# Altium PCB MINIOLED.PcbDoc
Units mil, origin at the board's own origin, x right, y up, seen from the top; angles counter-clockwise.
Board outline 1358.27 x 1027.03 mil, 2 copper layers (Top Layer, Bottom Layer); 50 components, 56 nets, 226 pads, 57 vias.
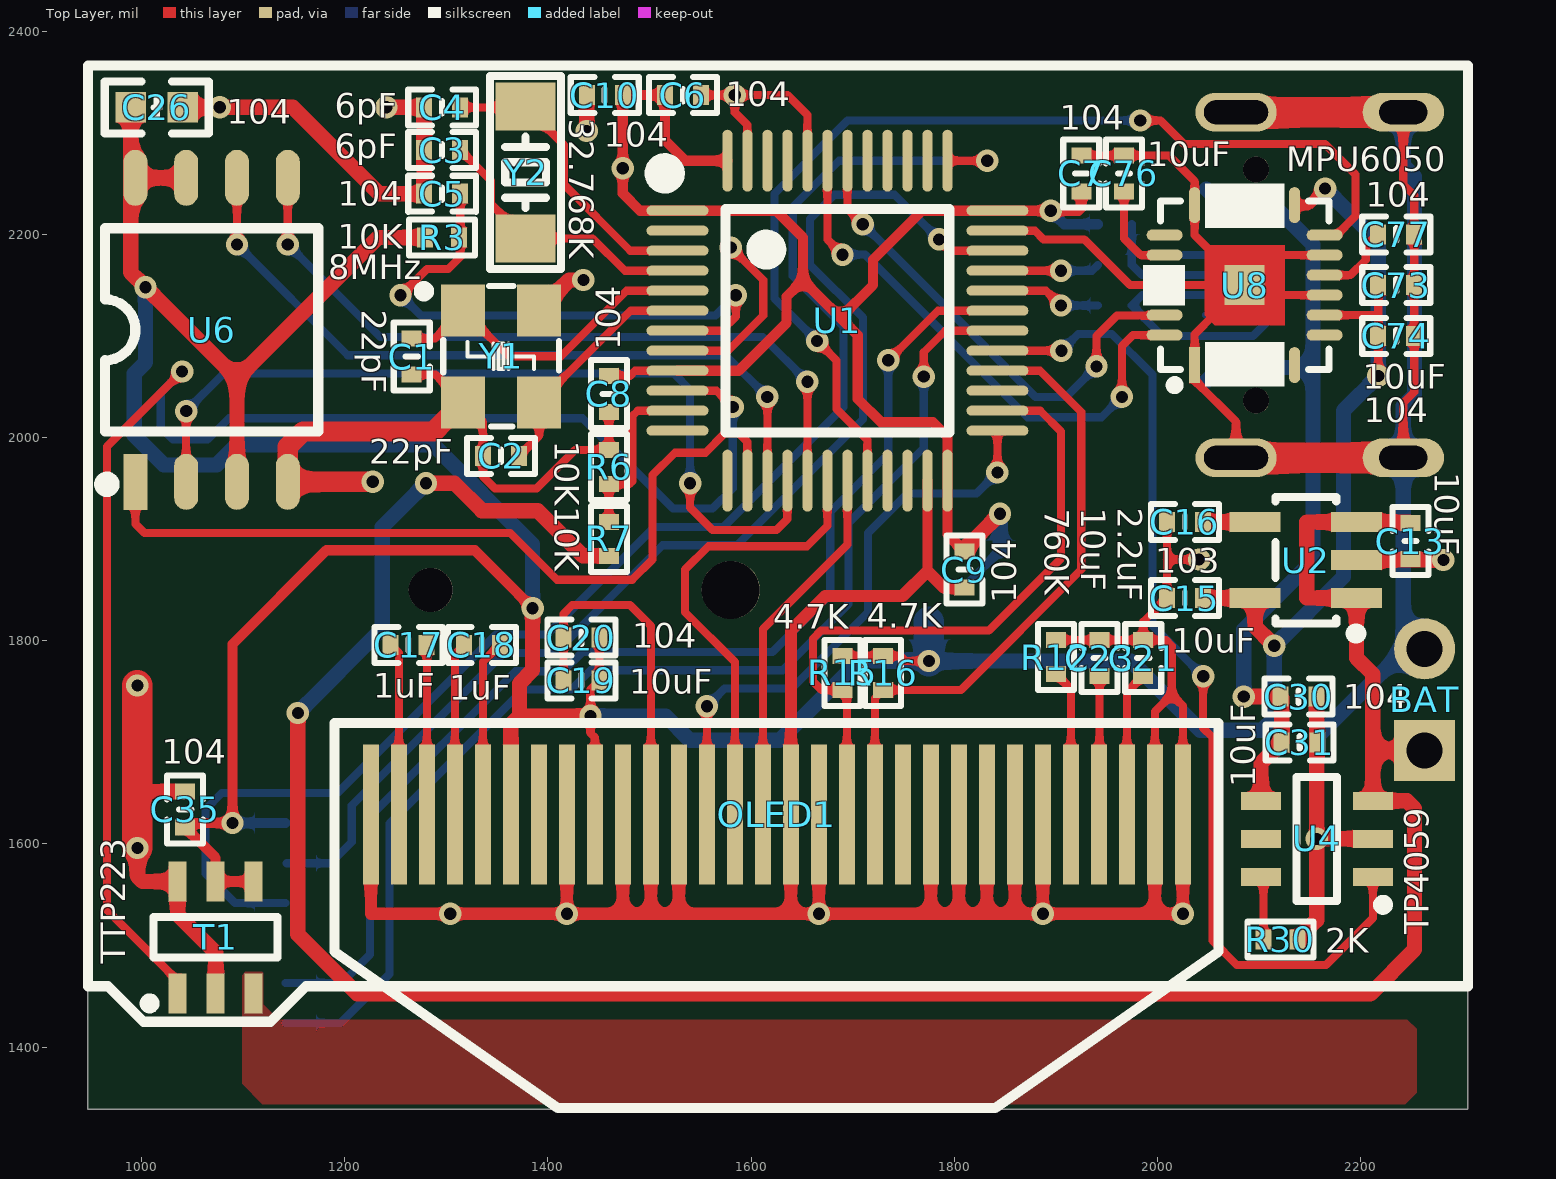
[diagram p0: Top Layer view]
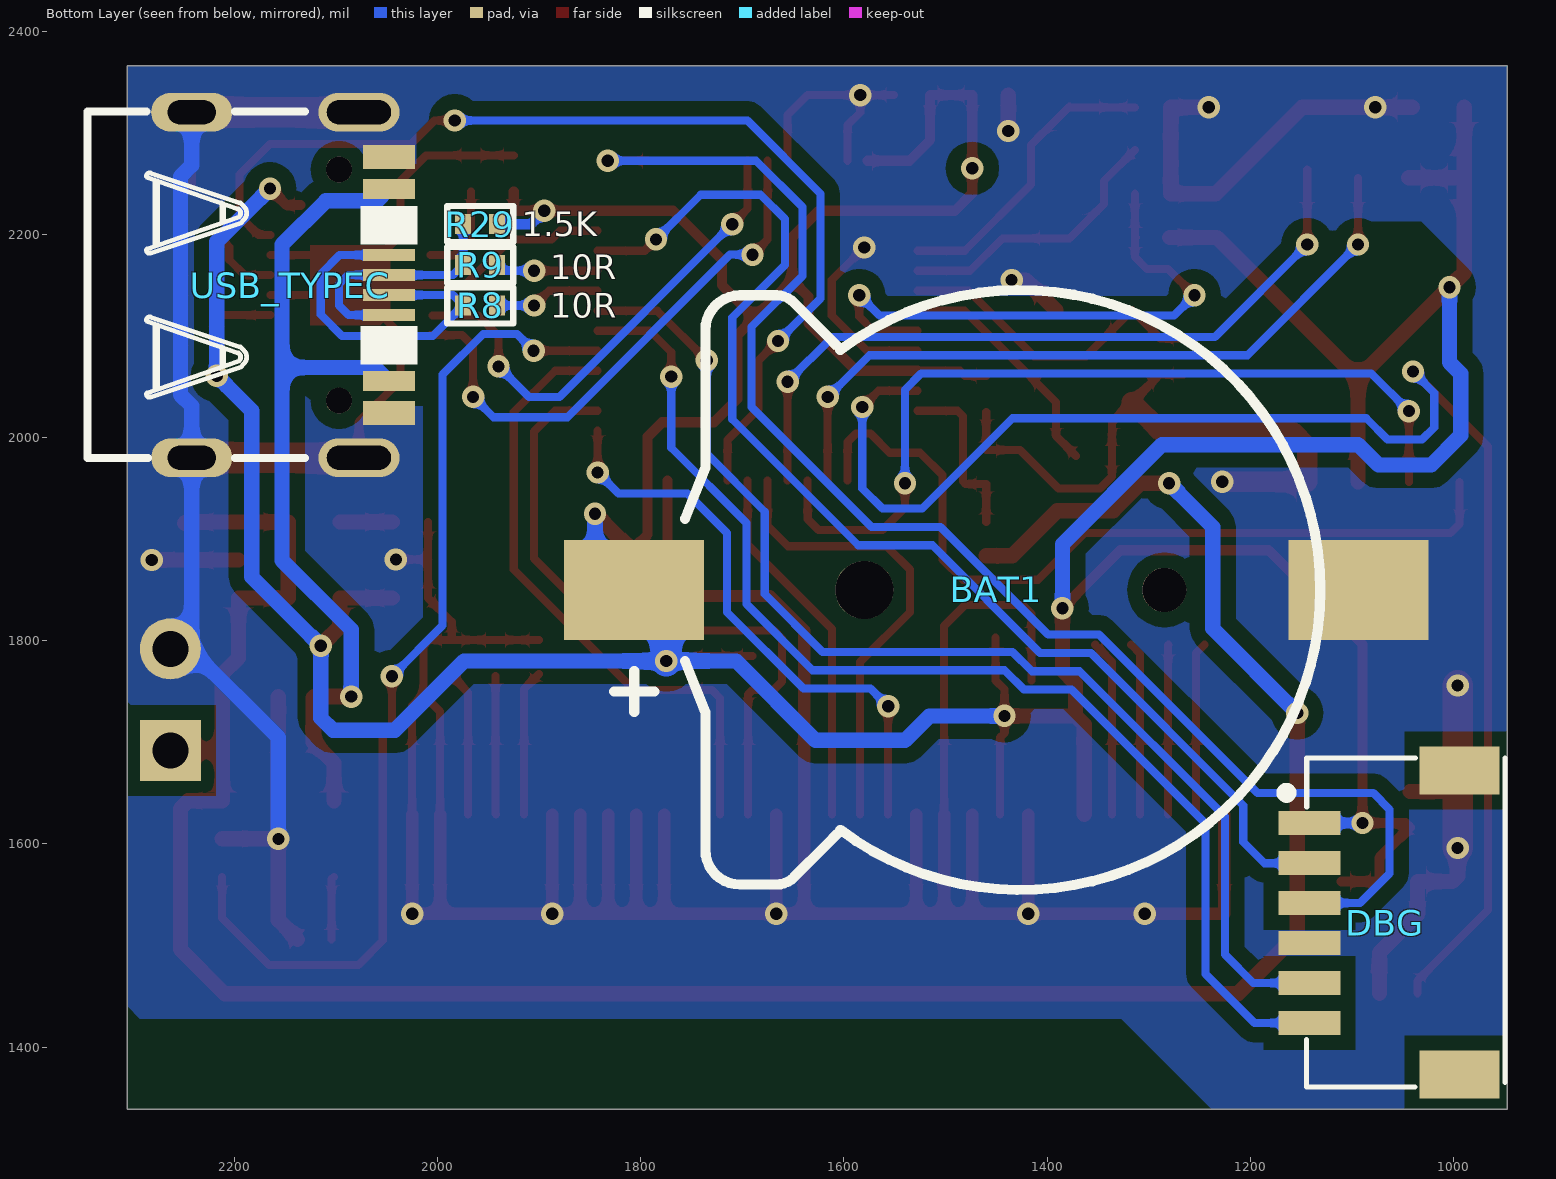
[diagram p1: Bottom Layer view, seen from below]
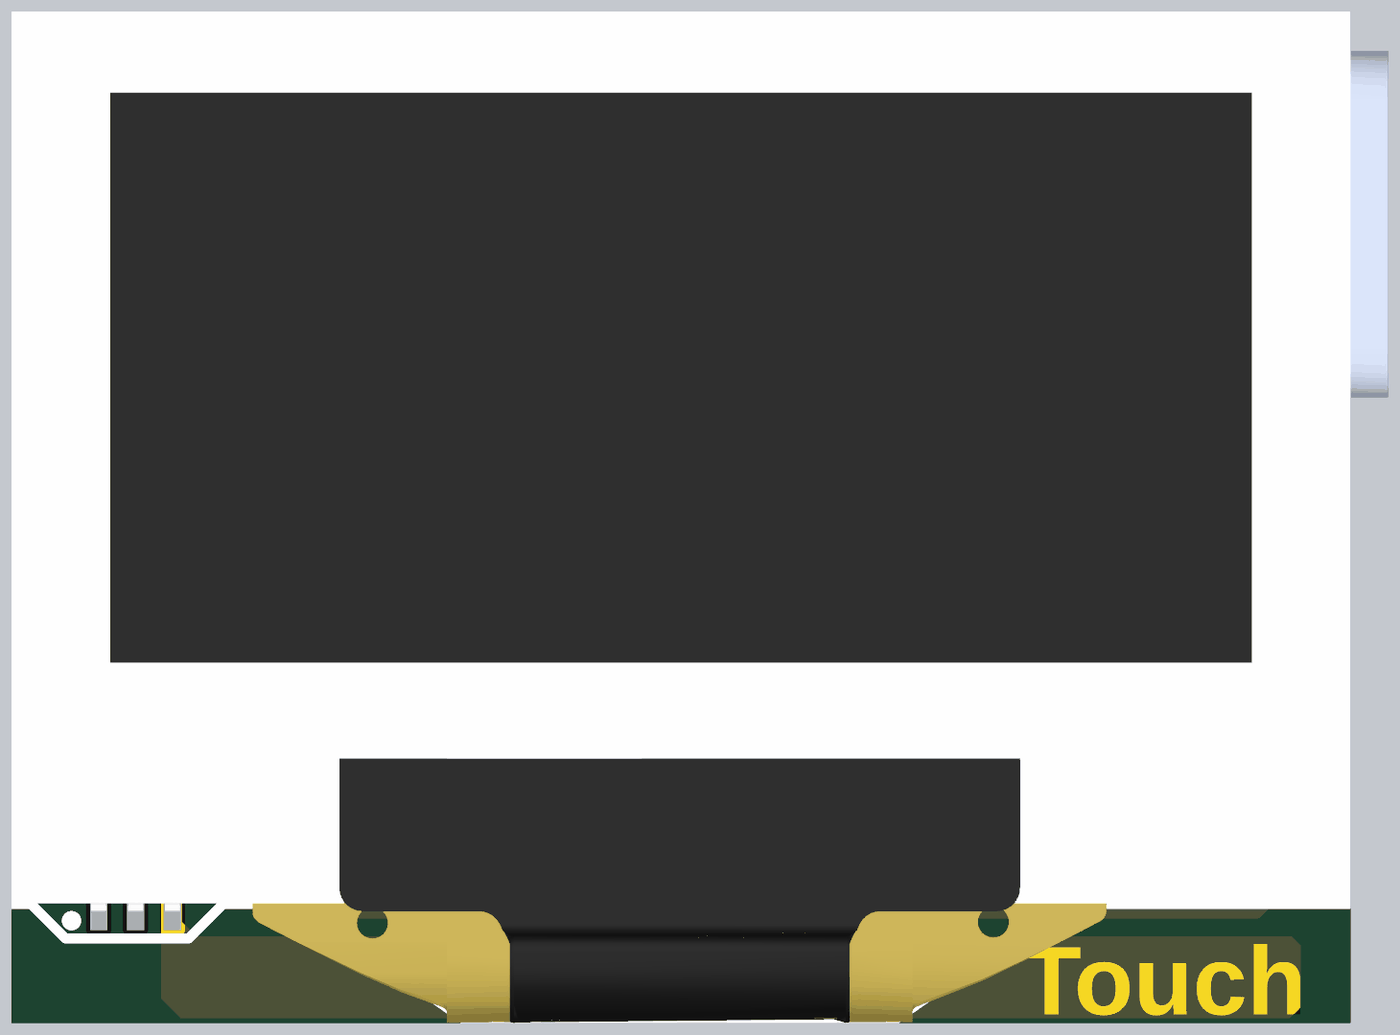
[diagram p2: 3D render of the assembled board from above, using the file's embedded part models]
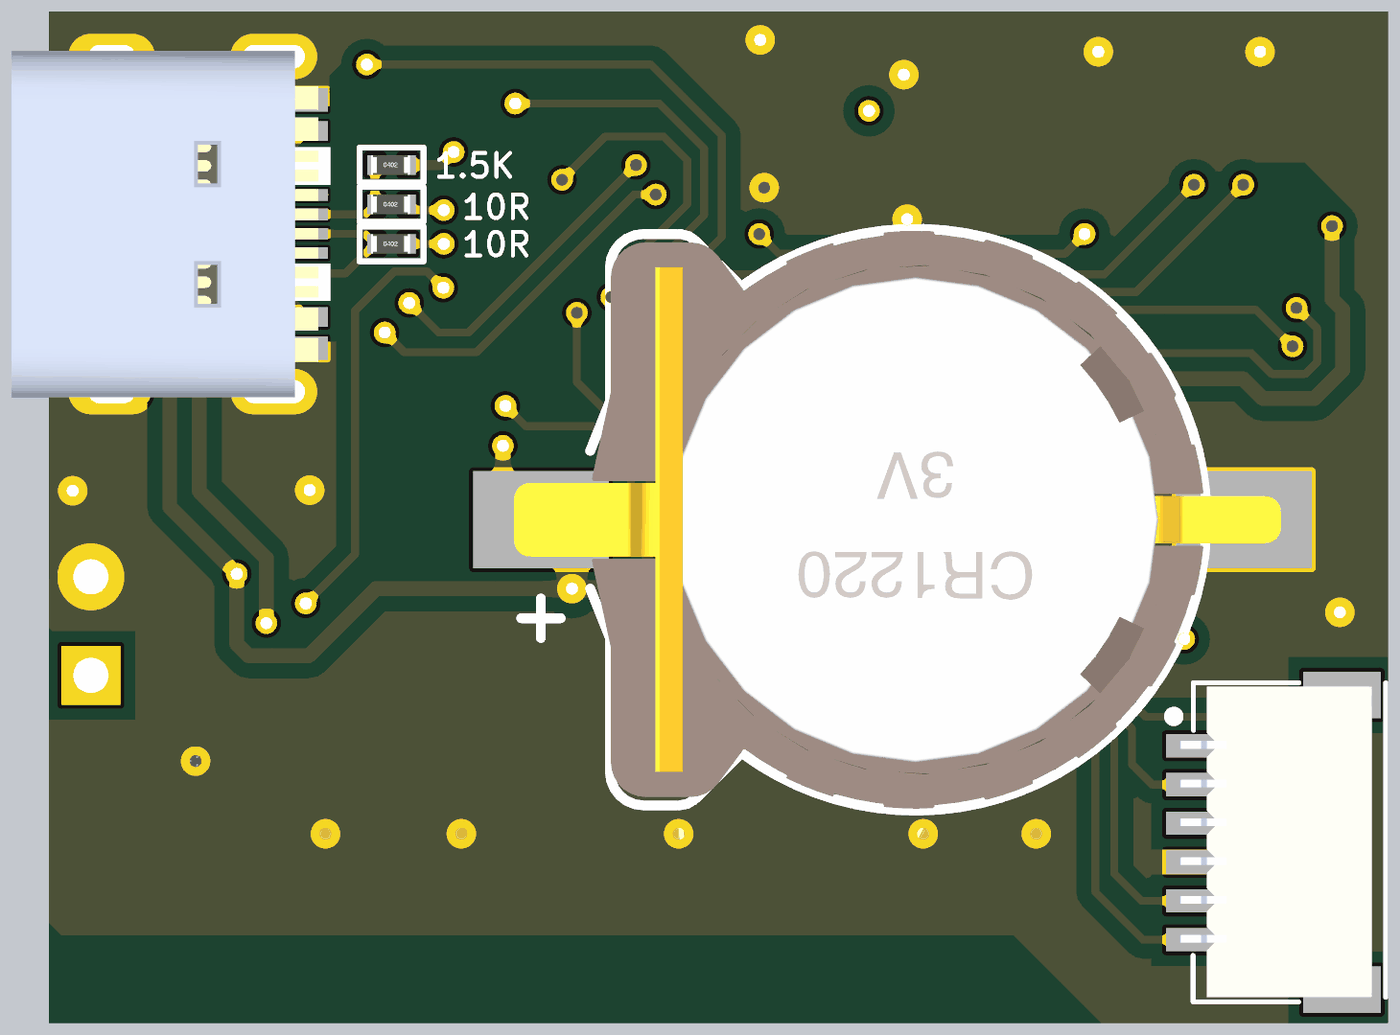
[diagram p3: 3D render of the assembled board from below, using the file's embedded part models]

## Layer stack, top to bottom
Top Solder: solder mask 0.4, Solder Resist, Dk 3.5
Top Layer: signal copper 1.4
Dielectric1: dielectric 12.6, FR-4, Dk 4.8
Bottom Layer: signal copper 1.4
Bottom Solder: solder mask 0.4, Solder Resist, Dk 3.5

## Board outline
947.23,1338.97 2305.5,1338.97 2305.5,2366 947.23,2366

## Design rules (kind name [scope] priority, off if disabled: settings)
Clearance [All] p1: gap=5 except(15: Arc-Poly Track-Poly SMDPad-Poly THPad-Poly Via-Poly Fill-Poly Poly-Poly)
FabricationTestPointUsage TestPointUsage [All] p1: valid=0 allowmultiple=FALSE
FabricationTestpoint Testpoint [All] p1: side=3 testpointundercomponent=TRUE minsize=40 maxsize=100 preferedsize=60 minholesize=0 maxholesize=40 preferedholesize=32 testpointgrid=1 allowsidetop=TRUE allowsidebottom=TRUE usegrid=TRUE gridtolerance=0.01
PlaneConnect [All] p1: planeconnectstyle=Direct reliefexpansion=20 reliefentries=4 reliefconductorwidth=10 reliefairgap=10
PolygonConnect [All] p1: connectstyle=Direct reliefconductorwidth=10 reliefentries=4 polygonreliefangle="90 Angle" airgapwidth=10
RoutingVias [All] p1: holewidth=12 width=22 viastyle="Through Hole" minholewidth=12 minwidth=22 maxholewidth=200 maxwidth=500
SilkToSolderMaskClearance SilkscreenOverComponentPads [IsPad] p1: minsilkscreentomaskgap=10 clearancetoexposedcopper=TRUE
SolderMaskExpansion [All] p1: expansion=4
Width [All] p1: maxlimit=200 minlimit=5 preferedwidth=8 minimp=50.000000 maximp=50.000000 favimp=50.000000
26 further rules are at their usual default settings.

## Components (designator, comment, footprint, x,y, rotation, side; value= is the part's Value field where it differs from the comment)
BAT "Battery" HDR1X2 2263,1692 r90 top
BAT1 "1220" CR1220_B 1426.46,1850 r0 bottom locked
C1 "22pF" "C 0402_L" 1266,2079.72 r90 top
C2 "22pF" "C 0402_L" 1354,1982 r0 top
C3 "6pF" "C 0402_L" 1296,2283 r0 top
C4 "6pF" "C 0402_L" 1296,2325 r0 top
C5 "104" "C 0402_L" 1296,2240 r0 top
C6 "104" "C 0402_L" 1533,2337 r180 top
C7 "104" "C 0402_L" 1925,2260 r270 top
C8 "104" "C 0402_L" 1460,2043 r90 top
C9 "104" "C 0402_L" 1810,1870 r90 top
C10 "104" "C 0402_L" 1456,2337 r0 top
C13 "10uF" "C 0402_L" 2249,1898 r270 top
C15 "10uF" "C 0402_L" 2027,1842 r0 top
C16 "103" "C 0402_L" 2027,1917 r0 top
C17 "1uF" "C 0402_L" 1263,1796 r180 top
C18 "1uF" "C 0402_L" 1335,1796 r180 top
C19 "10uF" "C 0402_L" 1433,1761 r0 top
C20 "104" "C 0402_L" 1433,1803 r0 top
C21 "2.2uF" "C 0402_L" 1986,1783 r270 top
C23 "10uF" "C 0402_L" 1943,1783 r270 top
C26 "104" "C 0603_L" 1015,2325 r0 top
C30 "104" "C 0402_L" 2139,1745 r180 top
C31 "10uF" "C 0402_L" 2140,1700 r180 top
C35 "104" "C 0402_L" 1043,1634 r90 top
C73 "10uF" "C 0402_L" 2235,2150 r0 top
C74 "104" "C 0402_L" 2235,2100 r180 top
C76 "10uF" "C 0402_L" 1967,2260 r270 top
C77 "104" "C 0402_L" 2235,2200 r0 top
DBG "GPS&COMPASS" "SH1.0 S-W-6P" 1060.93,1522.61 r90 bottom
OLED1 "OLED12864" OLED1.3 1625,1825 r0 top locked
R3 "10K" "R 0402_L" 1295,2197 r0 top
R6 "10K" "R 0402_L" 1460,1972 r270 top
R7 "10K" "R 0402_L" 1460,1901.25 r270 top
R8 "10R" "R 0402_L" 1959,2130 r180 bottom
R9 "10R" "R 0402_L" 1959,2170 r180 bottom
R12 "760K" "R 0402_L" 1900,1784.96 r270 top
R15 "4.7K" "R 0402_L" 1690,1769.25 r270 top
R16 "4.7K" "R 0402_L" 1730,1769.25 r270 top
R29 "1.5K" "R 0402_L" 1959,2210 r180 bottom
R30 "2K" "R 0402_L" 2122,1506 r180 top
T1 "TTP223" SOT23-6L 1073,1508 r0 top
U1 "STM32F103C8T6" "LQFP48 7X7_L" 1685,2115 r270 top locked
U2 "CAT6219-330TD" SOT-23-5 2196,1842 r180 top
U4 "TP4059" SOT23-6L 2157,1605 r90 top
U6 "W25Q128" SOP8W_L 1069,2106 r90 top
U8 "MPU6050" "QFN24 4x4_N" 2085.79,2150 r0 top
USB_TYPEC "USB TypeC" "USB Type-C" 2145,2150.08 r270 bottom locked
Y1 "8MHz" XTAL-3225 1354,2080 r270 top
Y2 "32.768K" "OSC 3215-2P" 1378,2261 r270 top

## Footprints (in the part's own frame and the unit in brackets; to place one, negate y for a bottom-side part, rotate by r counter-clockwise, add the part's x,y. Pads: shape width x height; smd on the part's side, far side on the other; paste and mask are expansions set on the pad)
"C 0402_L" [mm] "无极性贴片电容"
  rect 0.4x0.5 smd: 1(-0.45,0) 2(0.45,0)
  silkscreen extent -0.85,-0.45 0.85,0.45, body extent -0.5,-0.26 0.5,0.26, height 0.53
"C 0603_L" [mil] "无极性贴片电容"
  rect 30x30 smd: 1(-25.59,0) 2(25.59,0)
  silkscreen extent -51,-26 51,26, body extent -31,-16 31,16, height 32
CR1220_B [mm]
  round 1.1 hole 1.1: 0(-3.6,0)
  round 1.45 hole 1.45: 0(3.9,0)
  rect 3.5x2.5 smd: 1(9.652,0) 2(-8.458,0)
  silkscreen extent -7.5,-7.5 10.16,7.5, body extent -9.42,-7.45 10.34,7.45, height 4.05
HDR1X2 [mil]
  rect 60x60 hole 35.43: 1(0,0)
  round 60 hole 35.43: 2(100,0)
"LQFP48 7X7_L" [mm] "48脚，体宽7x7mm，脚距0.5mm"
  oval 0.25x1.55 smd: 1(-2.75,-4) 2(-2.25,-4) 3(-1.75,-4) 4(-1.25,-4) 5(-0.75,-4) 6(-0.25,-4) 7(0.25,-4) 8(0.75,-4) 9(1.25,-4) 10(1.75,-4) 11(2.25,-4) 12(2.75,-4) 25(2.75,4) 26(2.25,4) 27(1.75,4) 28(1.25,4) 29(0.75,4) 30(0.25,4) 31(-0.25,4) 32(-0.75,4) 33(-1.25,4) 34(-1.75,4) 35(-2.25,4) 36(-2.75,4)
  oval 1.55x0.25 smd: 13(4,-2.75) 14(4,-2.25) 15(4,-1.75) 16(4,-1.25) 17(4,-0.75) 18(4,-0.25) 19(4,0.25) 20(4,0.75) 21(4,1.25) 22(4,1.75) 23(4,2.25) 24(4,2.75) 37(-4,2.75) 38(-4,2.25) 39(-4,1.75) 40(-4,1.25) 41(-4,0.75) 42(-4,0.25) 43(-4,-0.25) 44(-4,-0.75) 45(-4,-1.25) 46(-4,-1.75) 47(-4,-2.25) 48(-4,-2.75)
  silkscreen extent -3.93,-4.57 2.79,2.79, body extent -4.5,-4.5 4.5,4.5, height 1.45
OLED1.3 [mm]
  rect 0.4x3.5 smd: 1(-10.14,-4.978) 2(-9.44,-4.978) 3(-8.74,-4.978) 4(-8.04,-4.978) 5(-7.34,-4.978) 6(-6.64,-4.978) 7(-5.94,-4.978) 8(-5.24,-4.978) 9(-4.54,-4.978) 10(-3.84,-4.978) 11(-3.14,-4.978) 12(-2.44,-4.978) 13(-1.74,-4.978) 14(-1.04,-4.978) 15(-0.34,-4.978) 16(0.36,-4.978) 17(1.06,-4.978) 18(1.76,-4.978) 19(2.46,-4.978) 20(3.16,-4.978) 21(3.86,-4.978) 22(4.56,-4.978) 23(5.26,-4.978) 24(5.96,-4.978) 25(6.66,-4.978) 26(7.36,-4.978) 27(8.06,-4.978) 28(8.76,-4.978) 29(9.46,-4.978) 30(10.16,-4.978)
  silkscreen extent -17.22,-12.32 17.28,13.74, body extent -17.22,-12.35 17.28,13.74, height 4.65
"OSC 3215-2P" [mm] "3.2*1.5*0.6mm(长宽高)"
  rect 1.2x1.5 smd: 1(-1.65,0) 2(1.65,0)
  silkscreen extent -2.41,-0.89 2.41,0.89, body extent -1.6,-0.75 1.6,0.75, height 0.61
"QFN24 4x4_N" [mm] "24脚，长x宽x高：4x4x1mm，脚距：0.5mm"
  rect 0.28x0.9 smd: 1(-1.25,-2)
  oval 0.28x0.9 smd: 6(1.25,-2) 13(1.25,2) 18(-1.25,2)
  oval 0.9x0.28 smd: 7(2,-1.25) 8(2,-0.75) 9(2,-0.25) 10(2,0.25) 11(2,0.75) 12(2,1.25) 19(-2,1.25) 20(-2,0.75) 23(-2,-0.75) 24(-2,-1.25)
  rect 1x1 smd: 25(0,0)
  Top Layer region: -1,1 1,1 1,-1 -0.75,-1 -1,-0.75
  silkscreen extent -2.11,-2.6 2.11,2.11, body extent -2.01,-2.01 2.01,2.01, height 0.95
"R 0402_L" [mm] "1/16W贴片电阻"
  rect 0.4x0.5 smd: 1(-0.4,0) 2(0.45,0)
  silkscreen extent -0.8,-0.45 0.85,0.45, body extent -0.5,-0.25 0.5,0.25, height 0.3
"SH1.0 S-W-6P" [mm]
  rect 1.2x2 smd: 0(-3.8,-1.7) 0(3.8,-1.7)
  rect 0.6x1.55 smd: 1(2.489,2.057) 2(1.489,2.057) 3(0.489,2.057) 4(-0.511,2.057) 5(-1.511,2.057) 6(-2.511,2.057)
  silkscreen extent -4.11,-2.83 4.11,2.76, body extent -3.99,-2.47 4.01,2.48, height 2.9
SOP8W_L [mm]
  rect 1.4x0.6 smd: 1(-3.8,1.905)
  oval 1.4x0.6 smd: 2(-3.8,0.635) 3(-3.8,-0.635) 4(-3.8,-1.905) 5(3.8,-1.905) 6(3.8,-0.635) 7(3.8,0.635) 8(3.8,1.905)
  silkscreen extent -3.99,-2.67 2.54,2.74, body extent -3.94,-2.64 3.94,2.64, height 1.9
SOT23-6L [mm] "3x1.6x1.1mm(长宽高)"
  rect 0.45x1 smd: 1(-0.95,-1.397) 2(0,-1.397) 3(0.95,-1.397) 4(0.95,1.397) 5(0,1.397) 6(-0.95,1.397)
  silkscreen extent -1.77,-1.78 1.55,0.51, body extent -1.5,-1.4 1.5,1.4, height 1.15
SOT-23-5 [mil]
  rect 50x20 smd: 1(0,0) 2(0,-37.4) 3(0,-74.8) 4(100,-74.8) 5(100,0)
  silkscreen extent 0,-99 80,35
"USB Type-C" [mm] "USB Type-C 12P/16P"
  rect 0.6x1.3 smd mask+0.064: 1(-3.2,2.462) 12(3.2,2.462)
  rect 0.508x1.3 smd mask+0.064: 2(-2.4,2.462) 11(2.4,2.462)
  rect 0.3x1.3 smd mask+0.064: 5(-0.75,2.462) 6(-0.25,2.463) 7(0.25,2.463) 8(0.75,2.462)
  oval 0.965x2.032 hole 0.6 slot 1.6 at 90 deg: SH1(-4.32,1.718) SH3(4.32,1.717)
  oval 0.965x2.032 hole 0.6 slot 1.2 at 90 deg: SH2(-4.32,-2.462) SH4(4.32,-2.462)
  round 0.65 hole 0.65 unplated mask+0: ""(-2.89,1.218) ""(2.89,1.218)
  silkscreen extent -4.34,-5.07 4.32,0.37, body extent -4.47,-5.04 4.47,2.86, height 3.2
XTAL-3225 [mm]
  rect 1.3x1.1 smd: 1(-1.15,-0.95) 2(1.15,-0.95) 3(1.15,0.95) 4(-1.15,0.95)
  silkscreen extent -1.75,-2.06 1.75,1.45, body extent -1.6,-1.24 1.6,1.26, height 0.8

## Part data
BAT: library part "Header 2", "Header, 2-Pin"
BAT1: library part CR-3V, "微型电池"
C1 C2: library part CAP
C3 C4 C5 C6 C7 C8 C9 C10 C13 C15 C16 C17 C18 C19 C20 C21 C23 C26 C30 C31 C73 C74 C76 C77: library part C
C35: library part C-0603-SMD
DBG: library part "Header 6", "6P接插件"
R3 R6 R7 R8 R9 R12 R15 R16 R29 R30: library part R
U1: library part U-STM32F103C8T6
U2: "3.3V 500mA LDO"
U6: library part W25X16, "W25X16;SST25VF016;MX25L1605"
U8: "9轴运动处理传感器"
USB_TYPEC: library part "USB Type-C", "12P TypeC 母座"
Y1: library part XTAL_3225, "3225贴片无源晶振"
Y2: library part XTAL, "Crystal Oscillator"

## Via types
v1: diameter 22, hole 12, Top Layer to Bottom Layer, 57 vias

## Nets (pads, with @x,y where several pads share a name; then routed paths per layer and width w, separated by ;. In a path a pad name is that pad's centre, name@x,y a point inside that pad or via, vN(x,y) a via of type N, cw(c..) or ccw(c..) an arc to the next point about the centre after c; other vN are vias at no path point)
3D_INT: U1.20 U8.12 | length 1023.4
  Top Layer w8: v1(1665,2095) 1684,2076 1684,2028 1714.53,1997.47 U1.20 ; v1(1983,2312) 2003,2312 2026,2289 2165,2289 2195,2259 2195,2218 2176.21,2199.21 U8.12
  Bottom Layer w8: v1(1665,2095) 1623,2137 1623,2240 1695,2312 v1(1983,2312)
GND: BAT1.2 BAT.2 C1.1 C2.1 C3.1 C4.1 C5.1 C6.1 C7.1 C8.1 C9.1 C10.1 C13.2 C15.1 C16.1 C19.1 C20.1 C21.1 C23.1 C26.2 C30.1 C31.1 C35.2 C73.2 C74.1 C76.1 C77.2 DBG.4 OLED1.1 OLED1.8 OLED1.10 OLED1.11 OLED1.12 OLED1.16 OLED1.17 OLED1.21 OLED1.22 OLED1.23 OLED1.24 OLED1.25 OLED1.29 OLED1.30 R6.1 R12.1 R30.1 T1.2 T1.6 U1.8 U1.23 U1.35 U1.44 U1.47 U2.2 U4.2 U6.4 U8.1 U8.9 U8.11 U8.18 U8.25 USB_TYPEC.1 USB_TYPEC.12 USB_TYPEC.SH1 USB_TYPEC.SH2 USB_TYPEC.SH3 USB_TYPEC.SH4 Y1.2 Y1.4 | length 8177.5
  Top Layer w8: C1.1 1289.32,2062 Y1.2 1336.28,2015.04 C2.1 1336.28,1961.72 1348,1950 1389,1950 1426.75,1987.75 R6.1 C8.1 ; C19.1 C20.1 1415.28,1826.28 1424,1835 1481,1835 1501.38,1814.62 OLED1.11 ; U1.8 1577.47,2085.47 1612,2120 1612,2155 v1(1580,2187) ; C6.1 v1(1584,2337) ; U1.47 1596.42,2307.58 1584,2320 v1(1584,2337) ; U1.44 1655.47,2317.53 1636,2337 v1(1584,2337) ; U1.35 1879.42,2203.58 1888,2195 1928,2195 1973,2150 U8.25 ; R12.1 C21.1 ; C7.1 2011.28,2277.72 2036.57,2252.43 U8.18 2036.57,2199.21 2056.26,2179.53 U8.11 ; OLED1.29 1997.44,1730.44 2014,1747 ; C16.1 2009.28,1880 ; OLED1.30 2025,1736 2014,1747 ; v1(2041,1880) 2009.28,1880 ; USB_TYPEC.SH3 2077.38,2015.62 2036.57,2056.43 U8.1 2036.57,2101.57 2056.31,2121.31 2109.2,2121.31 2114.47,2126.59 2114.47,2135.47 2119.16,2140.16 U8.9 ; USB_TYPEC.SH4 2241.95,2033.95 2252.72,2044.72 C74.1 C77.2 2252.71,2238.29 2241.95,2249.05 USB_TYPEC.SH2 ; C21.1 1986,1818.72 C15.1 2009.28,1880 ; C21.1 2008.28,1800.72 2014,1795 2014,1747
  Top Layer w10: 1773.58,1868.42 U1.23
  Top Layer w12: OLED1.1 1225.79,1531.21 v1(1304,1531.21) v1(1418.7,1531.21) ; OLED1.8 v1(1418.7,1531.21) ; OLED1.10 1473.82,1531.21 ; OLED1.11 1501.38,1531.21 ; OLED1.12 1528.94,1531.21 ; OLED1.17 v1(1666.73,1531.21) ; OLED1.21 1776.97,1531.21 ; OLED1.22 1804.53,1531.21 ; C9.1 1789.72,1852.28 1773.58,1868.42 1749.17,1844 1673,1844 1639.17,1810.17 OLED1.16 1639.17,1531.21 ; OLED1.23 1832.09,1531.21 ; OLED1.24 1859.65,1531.21 ; OLED1.25 v1(1887.2,1531.21) ; OLED1.29 1997.44,1531.21 ; OLED1.30 v1(2025,1531.21) 1997.44,1531.21 ; v1(1418.7,1531.21) 1473.82,1531.21 ; 1473.82,1531.21 1501.38,1531.21 ; 1501.38,1531.21 1528.94,1531.21 ; 1528.94,1531.21 1639.17,1531.21 ; 1639.17,1531.21 v1(1666.73,1531.21) ; v1(1666.73,1531.21) 1776.97,1531.21 ; 1776.97,1531.21 1804.53,1531.21 ; 1804.53,1531.21 1832.09,1531.21 ; 1832.09,1531.21 1859.65,1531.21 ; 1859.65,1531.21 v1(1887.2,1531.21) ; v1(1887.2,1531.21) 1997.44,1531.21
  Top Layer w15: v1(996,1596) 996,1568 1001,1563 T1.6 1035.6,1530.4 1073,1493 T1.2 ; 996,1652 996.29,1651.71 C35.2 ; C26.2 v1(1077,2325) 1149,2325 1234,2240 C5.1 C4.1 v1(1241,2325) ; Y1.4 1421.13,2155 v1(1435,2155) ; v1(1438.28,2301.72) C10.1 ; R30.1 2156.72,1524.97 v1(2156.72,1605) ; C30.1 v1(2156.72,1605) ; U2.2 v1(2281.4,1879.4) ; U4.2 v1(2156.72,1605)
  Top Layer w20: v1(1227.61,1956.39) U6.4 1144,1991 1159,2006 1287.87,2006 Y1.2
  Top Layer w30: v1(996,1596) 996,1652 v1(996,1756) ; USB_TYPEC.SH3 USB_TYPEC.SH4 ; USB_TYPEC.SH1 USB_TYPEC.SH2
  Bottom Layer w15: v1(2156.72,1605) 2156.72,1704.72 2241.95,1789.95 USB_TYPEC.SH4 2241.95,2030.95 2253,2042 2253,2257 2241.95,2268.05 USB_TYPEC.SH2
IIC_SCL: U1.42 U8.23 | length 484.9
  Top Layer w8: U1.42 1694.84,2225.16 v1(1710,2210) ; v1(1940,2070) 1940,2100 1960,2120 U8.23@2005,2120
  Bottom Layer w8: v1(1710,2210) 1880,2040 1910,2040 v1(1940,2070)
IIC_SDA: U1.43 U8.24 | length 544.7
  Top Layer w8: U1.43 1675.16,2194.84 v1(1690,2180) ; v1(1965,2040) 1965,2090 1975.79,2100.79 U8.24
  Bottom Layer w8: v1(1690,2180) 1712,2180 1872,2020 1945,2020 v1(1965,2040)
JTCK: DBG.3 U1.37 | length 1413.2
  Top Layer w8: U1.37 v1(1832.46,2272.46)
  Bottom Layer w8: DBG.3 1092.13,1541.87 1063,1571 1063,1634 1079,1650 1193,1650 1349,1806 1399,1806 1505,1912 1573,1912 1691,2030 1691,2109 1641,2159 1641,2227 1686.46,2272.46 v1(1832.46,2272.46)
JTMS: DBG.2 U1.34 | length 1204.9
  Top Layer w8: v1(1785,2195) 1796.1,2183.9 U1.34
  Bottom Layer w8: DBG.2@1143,1581 1186,1581 1207,1602 1207,1638 1357,1788 1407,1788 1513,1894 1586,1894 1710,2018 1710,2118 1658,2170 1658,2215 1682,2239 1741,2239 v1(1785,2195)
NetC16_2: C16.2 U2.4 | length 51.4
  Top Layer w15: C16.2 2095.81,1917 U2.4
NetC17_1: C17.1 OLED1.3 | length 167.1
  Top Layer w8: C17.1 1280.91,1795.81 OLED1.3
NetC17_2: C17.2 OLED1.2 | length 170.3
  Top Layer w8: C17.2 1253.35,1787.94 OLED1.2
NetC18_1: C18.1 OLED1.5 | length 173.9
  Top Layer w8: OLED1.5 1336.02,1779.31 C18.1
NetC18_2: C18.2 OLED1.4 | length 170.7
  Top Layer w8: OLED1.4 1308.46,1787.18 C18.2
NetC21_2: C21.2 OLED1.28 | length 143
  Top Layer w8: OLED1.28 1969.88,1749.17 C21.2
NetC23_2: C23.2 OLED1.27 | length 136.6
  Top Layer w8: OLED1.27 1943,1629.67 C23.2
NetC76_2: C76.2 U8.20 | length 93.2
  Top Layer w8: C76.2 1967,2196 1983.47,2179.53 U8.20
NetC77_1: C77.1 U8.10 | length 76.8
  Top Layer w8: U8.10 2189.84,2159.84 2205,2175 2205,2187.72 C77.1
NetOLED1_26: OLED1.26 R12.2 | length 144.4
  Top Layer w8: R12.2 1914.76,1752.48 OLED1.26
NetR8_1: R8.1 USB_TYPEC.5 USB_TYPEC.7 | length 375.5
  Bottom Layer w8: USB_TYPEC.5@2026.1,2179.61 USB_TYPEC.5 2096.39,2179.61 2115,2161 2115,2121 2094,2100 2004.75,2100 R8.1 1984.99,2140.24 USB_TYPEC.7
NetR9_1: R9.1 R29.1 USB_TYPEC.6 USB_TYPEC.8 | length 244
  Bottom Layer w8: R29.1 R9.1 1984.83,2159.92 USB_TYPEC.6 2088.08,2159.92 2097,2151 2097,2130 2087.55,2120.55 USB_TYPEC.8
NetR30_2: R30.2 U4.6 | length 62.5
  Top Layer w8: U4.6 2104.29,1565.31 R30.2
OLED_CLK: OLED1.18 R15.2 U1.26 | length 671.5
  Top Layer w8: OLED1.18 1694.29,1747.24 R15.2 1669.46,1751.54 1661,1760 1661,1802 1669,1810 1834,1810 1905,1881 1905,2006 1884.58,2026.42 U1.26
OLED_CS: OLED1.13 U1.25 | length 574.6
  Top Layer w8: OLED1.13 v1(1556.5,1735.5) ; v1(1842.46,1965.54) U1.25
  Bottom Layer w8: v1(1556.5,1735.5) 1574,1753 1640,1753 1715,1828 1715,1906 1754,1945 1821.93,1945 v1(1842.46,1965.54)
OLED_DC: OLED1.15 U1.19 | length 363
  Top Layer w8: OLED1.15 1611.61,1811.61 1694.84,1894.84 U1.19
OLED_MOSI: OLED1.19 R16.2 U1.28 | length 624.4
  Top Layer w8: OLED1.19 1721.85,1743.39 R16.2 1806.54,1751.54 1925,1870 1925,2025 1884.21,2065.79 U1.28
OLED_RST: OLED1.14 U1.18 | length 463.7
  Top Layer w8: OLED1.14 1584.06,1778.94 1535,1828 1535,1870 1558,1893 1655,1893 1675.16,1913.16 U1.18
OSC_IN: C1.2 U1.5 Y1.1 | length 318.5
  Top Layer w8: C1.2 1288.75,2097.43 Y1.1 1361.87,2080 1413,2080 1477.53,2144.53 U1.5
OSC_OUT: C2.2 U1.6 Y1.3 | length 234.3
  Top Layer w8: C2.2 1391.4,2001.69 Y1.3 1481.52,2124.84 U1.6
PA0: T1.1 U1.10 | length 1498.1
  Top Layer w8: T1.1 1035.6,1465.4 966,1535 966,1991 v1(1040,2065) ; U1.10 1565.9,2046.1 v1(1582,2030)
  Bottom Layer w8: v1(1040,2065) 1019,2044 1019,2010 1031,1998 1065,1998 1086,2019 1434,2019 1523,1930 1562,1930 1582,1950 v1(1582,2030)
PA1: R6.2 R7.1 U1.11 | length 172.2
  Top Layer w8: R7.1 R6.2 1480.29,1954.29 1483,1957 1483,2021 1488.42,2026.42 U1.11
PA2: U1.12
PA3: U1.13
PA4: U1.14 U6.1 | length 816.4
  Top Layer w8: U6.1 994,1915 1003,1906 1363,1906 1409,1860 1483,1860 1503,1880 1503,1963 1525,1985 1555,1985 1574,2004 1588,2004 1596.42,1995.58 U1.14
PA5: U1.15 U6.6 | length 732.2
  Top Layer w8: v1(1094,2190) U6.6 ; U1.15 v1@1616.1,2040
  Bottom Layer w8: v1(1094,2190) 1203,2081 1575,2081 v1(1616,2040)
PA6: U1.16 U6.2 | length 850.7
  Top Layer w8: U6.2 v1(1044,2026) ; v1(1540,1955) 1540,1931 1562,1909 1625,1909 1635.79,1919.79 U1.16
  Bottom Layer w8: v1(1044,2026) 1081,2063 1524,2063 1540,2047 v1(1540,1955)
PA7: U1.17 U6.5 | length 747.3
  Top Layer w8: v1(1144,2190) 1144,2264 U6.5 ; U1.17 v1(1655.47,2055)
  Bottom Layer w8: v1(1144,2190) 1235,2099 1611.47,2099 v1(1655.47,2055)
PA8: U1.29 U4.1 | length 985
  Top Layer w8: U1.29 v1(1905.47,2085.47) ; v1(2045,1765) 2045,1714 2054,1705 2054,1505 2078,1481 2166,1481 2212,1527 U4.1
  Bottom Layer w8: v1(1905.47,2085.47) 1922,2102 1955,2102 1995,2062 1995,1815 v1(2045,1765)
PA9: DBG.6 U1.30 | length 1171.4
  Top Layer w8: v1(1770,2060) 1770,2084 1791.16,2105.16 U1.30
  Bottom Layer w8: DBG.6 1195.76,1423.76 1244,1472 1244,1620 1376,1752 1423,1752 1442,1771 1631,1771 1696,1836 1696,1916 1770,1990 v1(1770,2060)
PA10: DBG.5 U1.31 | length 1155.6
  Top Layer w8: v1(1735,2076) 1783.84,2124.84 U1.31
  Bottom Layer w8: DBG.5 1197.13,1463.13 1225,1491 1225,1627 1368,1770 1415,1770 1434,1789 1621,1789 1678,1846 1678,1927 1735,1984 v1(1735,2076)
PA11: R8.2 U1.32 | length 104.8
  Top Layer w8: U1.32 1890.47,2144.53 v1(1905,2130)
  Bottom Layer w8: v1(1905,2130) R8.2
PA12: R9.2 U1.33 | length 101.2
  Top Layer w8: U1.33 v1(1905,2164.21)
  Bottom Layer w8: v1(1905,2164.21) 1935.5,2164.21 R9.2
PA15: U1.38
PB3: U1.39
PB4: U1.40
PB5: U1.41
PB8: U1.45
PB9: U1.46
PB10: U1.21
PB11: U1.22
PB14: U1.27
PC13: U1.2
PC14: C4.2 U1.3 Y2.1 | length 295.9
  Top Layer w8: C4.2 1377.04,2325 Y2.1 1416,2287.96 1416,2249 1481.1,2183.9 U1.3
PC15: C3.2 U1.4 Y2.2 | length 276.3
  Top Layer w8: C3.2 1344,2252.71 1344,2230.04 Y2.2 1443.96,2196.04 1475.79,2164.21 U1.4
RESET: C5.2 R3.2 U1.7 | length 568.8
  Top Layer w8: v1(1255,2140) 1281,2166 1302,2166 1313.71,2177.71 R3.2@1313.71,2198 ; R3.2 R3.2@1313.71,2198 ; C5.2 R3.2@1313.71,2198 ; U1.7 1571.16,2105.16 1585,2119 v1(1585,2140)
  Bottom Layer w8: v1(1255,2140) 1275,2120 1565,2120 v1(1585,2140)
TP1: T1.3
VBAT: BAT.1 C13.1 R7.2 U2.1 U2.3 U4.3 | length 2513.6
  Top Layer w15: v1(1153.93,1728.93) 1153.93,1511.07 1212.5,1452.5 2209.5,1452.5 2253,1496 2253,1635 2245.6,1642.4 U4.3 2212,1692 ; v1(1280,1955) 1308,1955 1335,1928 1390,1928 1434.46,1883.54 R7.2 ; C13.1 2247.91,1916.8 U2.3 2147,1916.8 2147,1842 U2.1 2196,1783 2212,1767 2212,1692 ; BAT.1 2212,1692
  Bottom Layer w15: v1(1153.93,1728.93) 1237,1812 1237,1912 v1(1280,1955)
VCC3.3: BAT1.1 C6.2 C7.2 C8.2 C9.2 C10.2 C15.2 C19.2 C20.2 C26.1 C35.1 C73.1 C74.2 DBG.1 OLED1.6 OLED1.9 R3.1 R15.1 R16.1 R29.2 T1.4 T1.5 U1.1 U1.9 U1.24 U1.36 U1.48 U2.5 U6.3 U6.7 U6.8 U8.8 U8.13 | length 5918.8
  Top Layer w8: OLED1.9 1446.26,1704.74 1442,1709 v1(1442,1726) 1442,1752.28 C19.2 C20.2 ; C8.2 1480.71,2060.71 1485.79,2065.79 U1.9 ; R15.1 R16.1 1747,1785 1752,1780 v1(1775,1780) ; C9.2 C9.2@1810,1890 ; U8.8 2216.76,2120.47 2217.28,2121 ; v1(2217.29,2060.71) C74.2 2217.28,2121 ; C73.1 2217.28,2121
  Top Layer w10: T1.4 T1.5 1073,1586.28 C35.1 1047.32,1620.61 v1(1089.61,1620.61) 1089.61,1796.61 1182,1889 1328,1889 v1(1385,1832) ; U1.9 1587.79,2065.79 1635,2113 1635,2138.79 1651,2154.79 ; U1.48 1535.54,2272.46 1515.29,2292.71 C6.2 C10.2 v1(1473.71,2265) 1473.71,2240.29 1490.73,2223.27 U1.1 1624.73,2223.27 1651,2197 1651,2154.79 ; C9.2 1793.27,1904.45 U1.24 1793.27,2000.73 1779,2015 1728,2015 1705,2038 1705,2100.79 1687.89,2117.89 ; C7.2 1925,2226 1922.27,2223.27 v1(1895,2223.27) U1.36 1768.27,2223.27 1720,2175 1720,2150 1687.89,2117.89 ; U8.13 2148.74,2228.74 v1(2165,2245) ; 1651,2154.79 1687.89,2117.89
  Top Layer w15: C26.1 989.41,2162.59 v1(1004,2148) 1094,2058 ; U6.8 U6.7 ; U6.3 1094,2058 ; R3.1 1233,2197 1094,2058 ; OLED1.6 1363.58,1717.58 1372,1726 ; v1(1385,1832) 1385,1771 1372,1758 1372,1726 ; v1(1442,1726) 1372,1726 ; C9.2@1810,1890 v1(1845,1925) ; C15.2 U2.5 2096,1814 v1(2115,1795)
  Bottom Layer w8: BAT1.1 BAT1.1@1845,1888.54
  Bottom Layer w10: v1(1089.61,1620.61) DBG.1 ; v1(1895,2223.27) 1908.26,2210 R29.2
  Bottom Layer w15: v1(1004,2148) 1004,2074 993,2063 993,2002 1022,1973 1074,1973 1094,1993 1287,1993 1385,1895 v1(1385,1832) ; v1(1442,1726) 1516,1726 1540,1702 1628,1702 1706,1780 v1(1775,1780) 1974,1780 2042,1712 2103,1712 2115,1724 v1(2115,1795) 2183,1863 2183,2026.43 v1(2217.29,2060.71) 2217.29,2192.71 v1(2165,2245) ; BAT1.1@1845,1888.54 v1(1845,1925)
  Bottom Layer w30: v1(1775,1780) BAT1.1@1775,1818.54
VUSB: C30.2 C31.2 U4.4 USB_TYPEC.2 USB_TYPEC.11 | length 858.9
  Top Layer w15: v1(2085,1745) C30.2 2122.29,1744 C31.2 2102,1679.72 U4.4
  Bottom Layer w15: USB_TYPEC.11 2061.46,2069 2153,2069 ; USB_TYPEC.2 2059.62,2233 2110,2233 2153,2190 2153,2069 ; v1(2085,1745) 2085,1811 2153,1879 2153,2069
pads on no net: BAT1.0 DBG.0 OLED1.7 OLED1.20 U4.5 U8.6 U8.7 U8.19 USB_TYPEC.

## Polygon pours and split planes (outlines as drawn)
GND on Bottom Layer "AutoNaming" (solid, remove dead copper, pour order 0): 947,2366 947,1339 1238,1339 1327,1428 2203,1428 2293,1428 2305.5,1440.5 2305,2366
TP1 on Top Layer "AutoNaming" (solid, remove dead copper, pour order 2): 1099,1471 1099,1364 1119,1344 2244,1344 2255,1355 2255,1418 2246,1427 1135,1427 1120,1442 1120,1473 1119,1474 1102,1474

## Other copper
Bottom Layer:
  pour cut-out: 1080.89,2212.71 1031.62,2212.71 985.46,2166.54
  pour cut-out: 2009.22,2312 2021,2300.22 2021,2265

## Silkscreen, mask and mechanical layers (free items; w line width, h text height)
Top Overlay:
  rectangle: 1986,2130 2027,2170
  rectangle: 2047,2206 2125,2250
  rectangle: 2047,2050 2125,2094
Bottom Overlay:
  rectangle: 2020,2072 2076,2110
  rectangle: 2020,2190 2076,2228
Top Solder:
  text "Lovelessing" at 1423,1365 h80
  text "Touch" at 1964,1343 h112
Mechanical 1:
  the board outline again, w5